# Altium PCB Archimajor.PcbDoc (part 11 of 12)
Units mm, origin at the board's own origin, x right, y up, seen from the top; angles counter-clockwise.
Board outline 190 x 140 mm, 6 copper layers (Top Layer, Top GND, Power Plane, Mid1, Bot GND, Bottom Layer), stack 1.776 mm thick; 1046 components, 682 nets, 3245 pads, 2865 vias.
Unrouted connection lines stored in the file: 97.
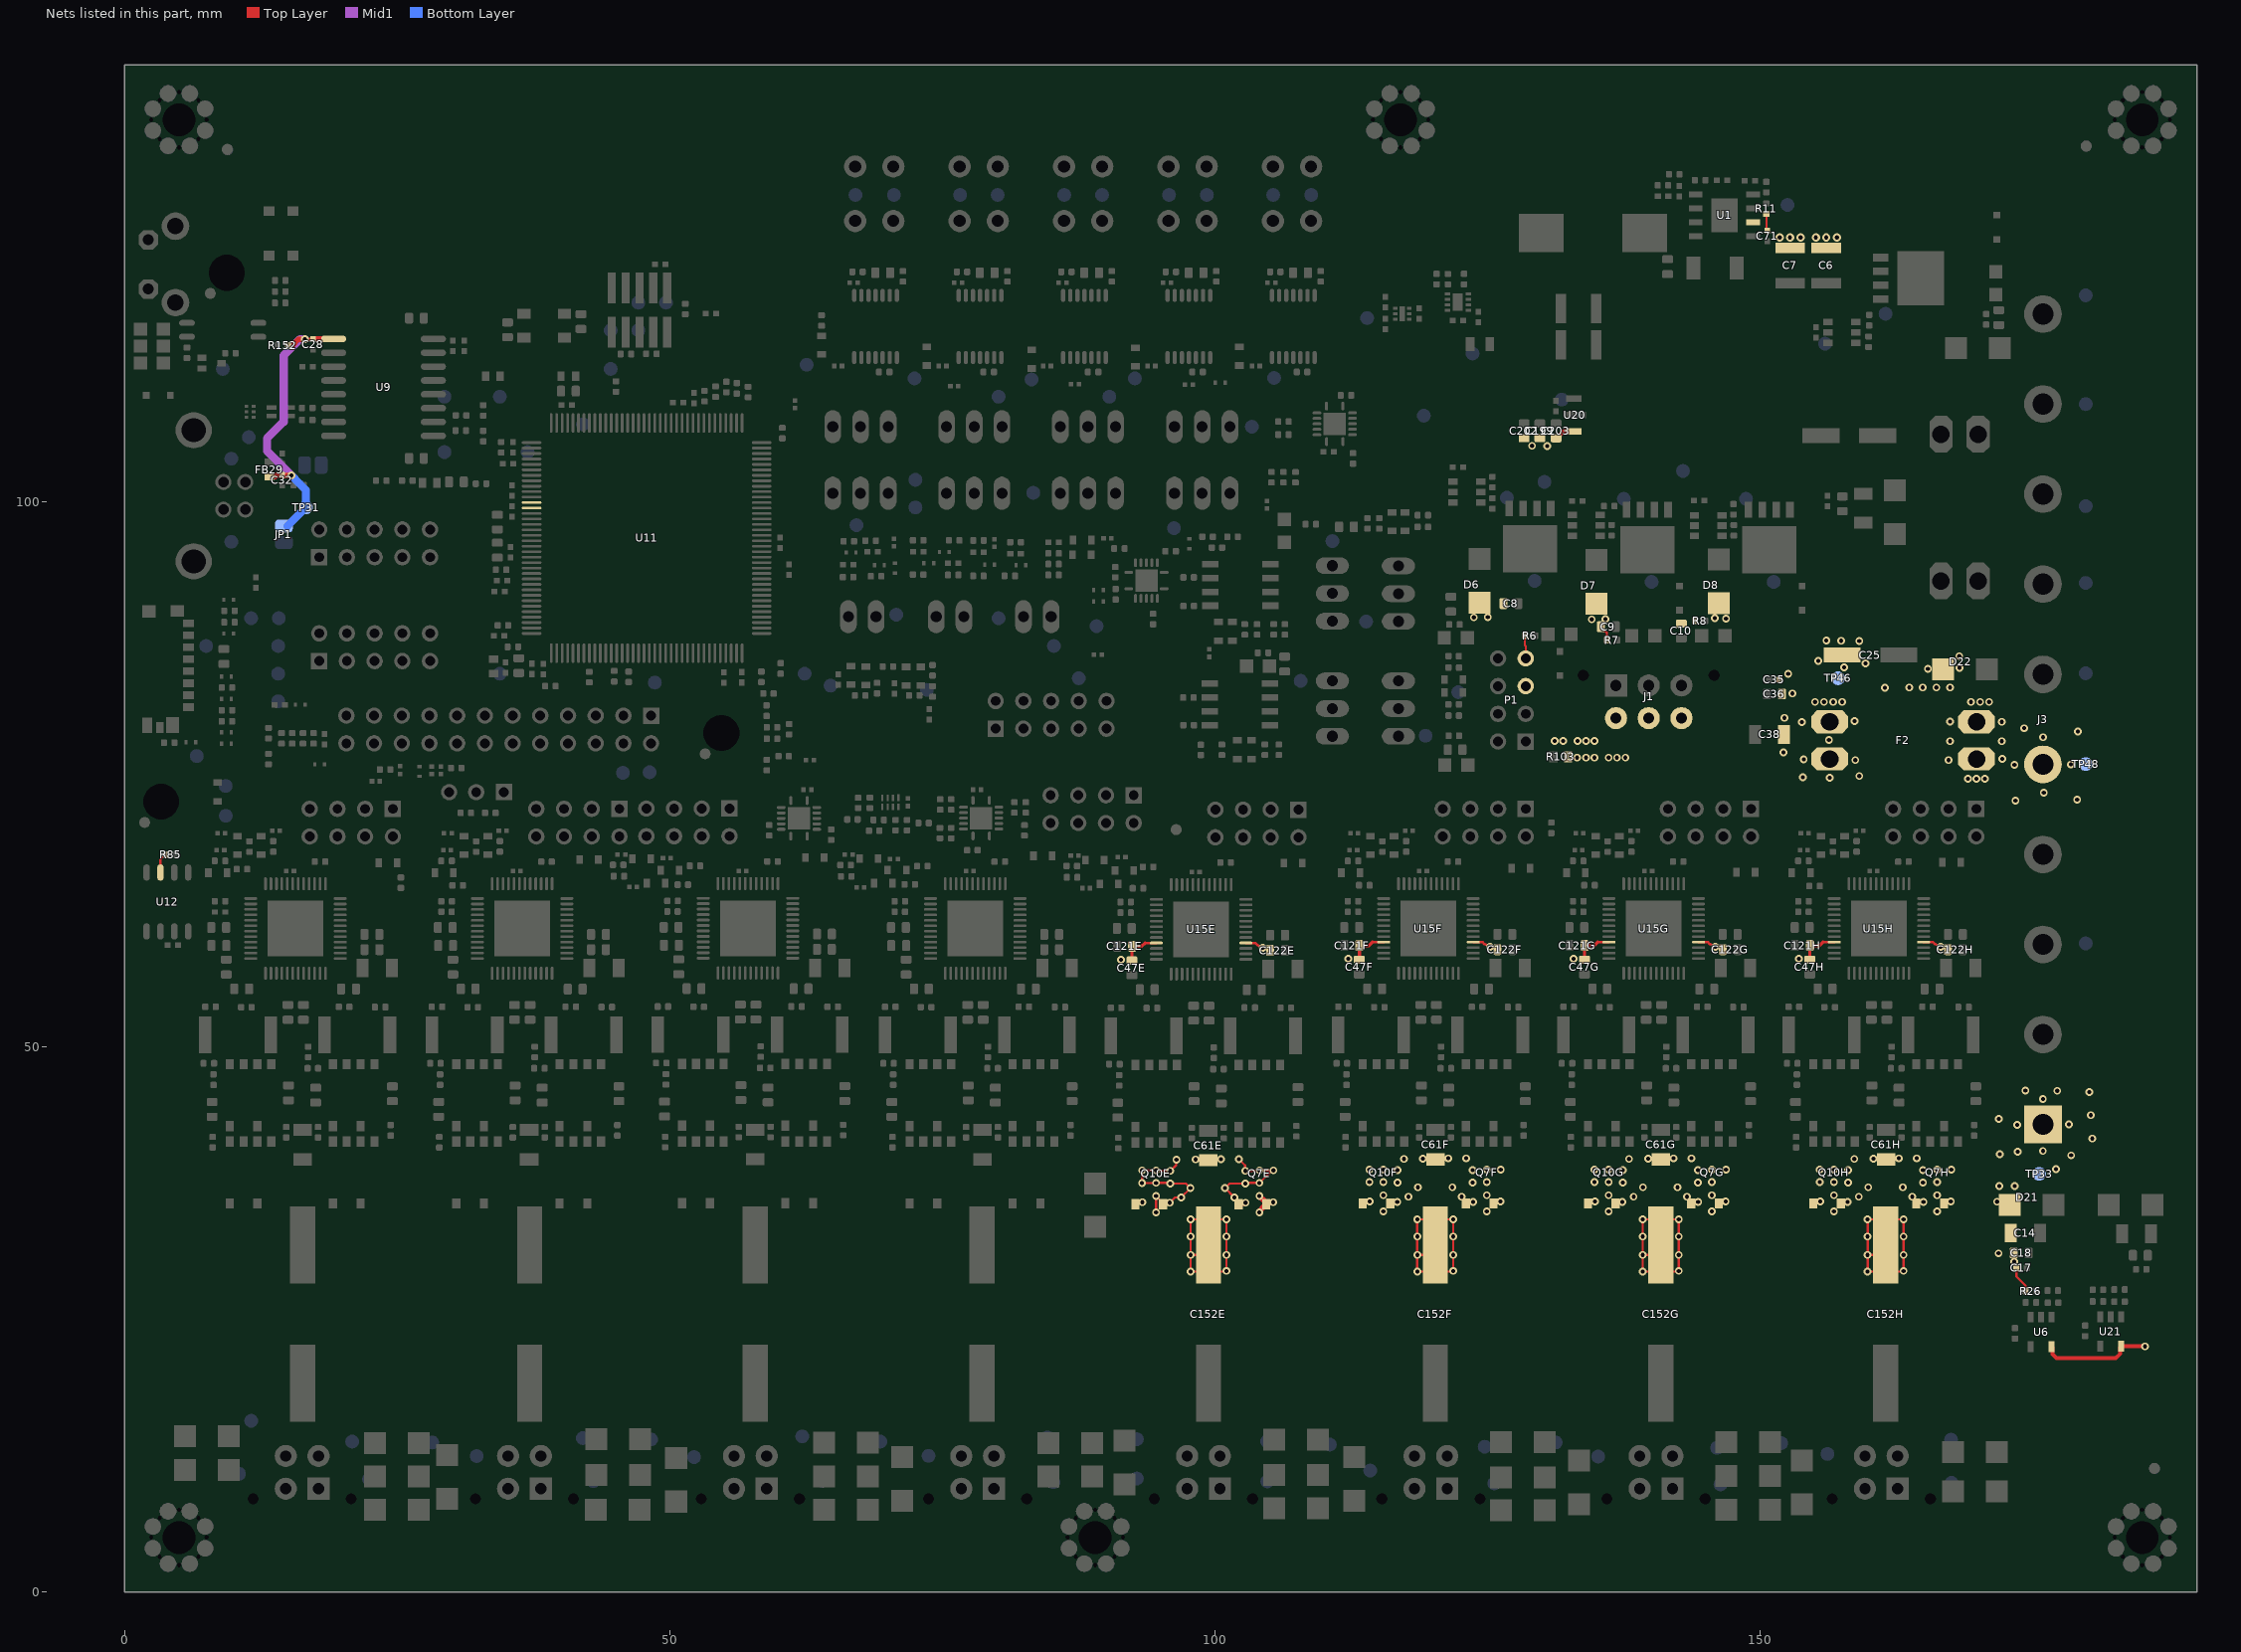
[diagram p15: the nets of this part, all layers, seen from the top]

## Via types
v1: diameter 0.711, hole 0.381, Top Layer to Bottom Layer, tented both sides, 2418 vias
v2: diameter 0.559, hole 0.254, Top Layer to Bottom Layer, 302 vias
v3: diameter 0.711, hole 0.381, Top Layer to Bottom Layer, 113 vias
v4: diameter 0.737, hole 0.381, Top Layer to Bottom Layer, tented both sides, 16 vias
v5: diameter 0.762, hole 0.381, Top Layer to Bottom Layer, 16 vias

## Nets (pads, with @x,y where several pads share a name; then routed paths per layer and width w, separated by ;. In a path a pad name is that pad's centre, name@x,y a point inside that pad or via, vN(x,y) a via of type N, cw(c..) or ccw(c..) an arc to the next point about the centre after c; other vN are vias at no path point) (continued)
VMOT2: C14.2 C17.1 C18.1 C47E.2 C47F.2 C47G.2 C47H.2 C61E.2 C61F.2 C61G.2 C61H.2 C121E.2 C121F.2 C121G.2 C121H.2 C122E.2 C122F.2 C122G.2 C122H.2 C152E.1 C152F.1 C152G.1 C152H.1 D21.K J3.1 Q7E.5 Q7E.7 Q7F.5 Q7F.7 Q7G.5 Q7G.7 Q7H.5 Q7H.7 Q10E.5 Q10E.7 Q10F.5 Q10F.7 Q10G.5 Q10G.7 Q10H.5 Q10H.7 R26.1 TP33.1 U15E.4 U15E.33 U15F.4 U15F.33 U15G.4 U15G.33 U15H.4 U15H.33 | length 133.1
  Top Layer w0.203: Q10E.5@92.685,35.55 92.87,35.734 v1(93.334,35.734) ; v1(94.584,34.809) v1@94.584,36.291 ; v1(94.584,36.309) v1@94.584,36.291 ; v1(96.459,39.637) 96.422,39.601 96.422,39.146 v1(95.884,38.608) 94.635,38.608 v1(94.584,38.659) 93.301,38.659 v1(93.297,38.655) v1(93.297,37.505) 94.579,37.505 v1(94.584,37.509) 95.832,37.509 v1(95.884,37.458) 97.31,37.458 v1(97.734,37.034) 97.734,37.025 v1(96.872,36.162) 96.322,36.162 v1(95.847,35.687) 95.363,35.687 Q10E.7@95.225,35.55 95.225,35.65 v1@94.584,36.291 ; v1(98.208,39.659) 99.289,39.659 C61E.2@99.365,39.583 99.466,39.684 v1(100.533,39.684) ; C152E.1@99.391,31.822 98.481,30.913 v1(97.741,30.913) ; Q7E.5@102.146,35.55 102.146,35.65 101.77,36.026 v1(101.77,36.162) 101.77,36.172 v1(100.908,37.034) 101.331,37.458 v1(102.758,37.458) 102.809,37.509 v1(104.058,37.509) 105.01,38.462 105.015,38.462 105.208,38.655 v1(105.345,38.655) 105.34,38.659 v1(104.058,38.659) 104.006,38.608 v1(102.758,38.608) 102.745,38.621 102.745,39.122 v1(102.183,39.684) ; C152F.1@120.18,31.822 119.27,30.913 v1(118.53,30.913) ; C152G.1@140.859,31.822 139.95,30.913 v1(139.21,30.913) ; C152H.1@161.472,31.822 160.562,30.913 v1(159.822,30.913) ; C17.1@173.468,29.72 173.468,28.927 174.305,28.09 174.305,27.61 R26.1@174.315,27.6 ; v1(97.741,30.913) v1(97.741,32.588) 97.741,34.163 99.44,34.163 v1(101.041,34.163) v1(101.04,32.588) v1(101.04,30.913) ; v1(97.741,30.913) v1(97.741,29.387) 97.949,29.387 99.49,29.387 v1@101.041,29.387 ; v1@101.041,29.387 v1(101.04,30.913) ; v1@101.041,29.387 v1(101.04,30.913) ; v1(118.53,30.913) v1(118.53,32.588) v1(118.529,34.163) 120.229,34.163 v1(121.83,34.163) 121.83,32.588 v1@121.83,30.913 ; v1(118.53,30.913) v1(118.53,29.387) 120.279,29.387 v1@121.83,29.387 ; v1@121.83,29.387 v1@121.83,30.913 ; v1@121.83,29.387 v1@121.83,30.913 ; v1(139.21,30.913) v1(139.21,32.588) v1(139.209,34.163) 140.909,34.163 v1(142.51,34.163) v1(142.509,32.588) v1(142.509,30.913) 142.51,29.387 140.959,29.387 v1(139.21,29.387) v1(139.21,30.913) ; v1(159.822,30.913) v1(159.822,29.387) 161.571,29.387 162.958,29.387 163.122,29.387 v1(163.121,30.913) v1(163.121,32.588) v1(163.122,34.163) 161.521,34.163 v1(159.821,34.163) v1(159.822,32.588) v1(159.822,30.913)
  Top Layer w0.229: 93.58,59.51 U15E.33@94.615,59.51 ; U15E.4@102.815,59.51 103.685,59.51 103.87,59.325 v1(104.37,59.075) ; 114.422,59.585 U15F.33@115.457,59.585 ; U15F.4@123.657,59.585 124.527,59.585 124.712,59.4 v1(125.212,59.15) ; 135.073,59.585 U15G.33@136.108,59.585 ; U15G.4@144.308,59.585 145.178,59.585 145.363,59.4 v1(145.863,59.15) ; 155.723,59.585 U15H.33@156.758,59.585 ; U15H.4@164.958,59.585 165.828,59.585 166.013,59.4 v1(166.513,59.15)
  Top Layer w0.305: C47E.2@92.37,57.905 92.375,57.91 C121E.2@92.375,59.2 93.27,59.2 93.58,59.51 ; C47F.2@113.212,57.98 113.217,57.985 C121F.2@113.217,59.275 114.112,59.275 114.422,59.585 ; C47G.2@133.863,57.98 133.868,57.985 C121G.2@133.868,59.275 134.763,59.275 135.073,59.585 ; C47H.2@154.513,57.98 154.518,57.985 C121H.2@154.518,59.275 155.413,59.275 155.723,59.585
  Top Layer w0.508: Q7E.5@102.146,35.55 Q7E.5@102.152,35.555 ; Q7E.5@102.152,35.529 Q7E.5@102.152,35.555 ; v1(102.795,35.687) 102.756,35.649 102.245,35.649 Q7E.5@102.152,35.555 ; v1(104.058,34.809) 104.097,34.848 104.097,34.96 104.465,35.329 104.565,35.329 104.686,35.45 Q7E.7@104.686,35.55 ; v1(104.058,36.309) 104.565,35.802 104.565,35.671 Q7E.7@104.686,35.55 ; v1(105.308,35.734) 105.269,35.696 104.807,35.696 104.686,35.575 Q7E.7@104.686,35.55 ; Q10F.5@113.527,35.625 Q10F.5@113.611,35.709 ; Q7F.5@122.989,35.625 122.994,35.631 Q7F.5@122.994,35.604 ; Q10G.5@134.178,35.625 Q10G.5@134.261,35.709 ; Q7G.5@143.639,35.625 143.644,35.631 Q7G.5@143.644,35.604 ; Q10H.5@154.828,35.625 Q10H.5@154.912,35.709 ; Q7H.5@164.289,35.625 164.295,35.631 Q7H.5@164.295,35.604
  other v1: 101.04,29.438 121.829,29.438 142.509,29.438 163.121,29.438 173.27,30.289 121.829,30.913 171.823,31.051 121.829,32.588 97.74,34.163 115.426,34.885 124.9,34.885 136.076,34.885 145.55,34.885 156.726,34.885 166.2,34.885 116.689,35.763 123.637,35.763 137.339,35.763 144.287,35.763 157.989,35.763 164.938,35.763 171.685,35.782 114.176,35.81 126.15,35.81 134.826,35.81 146.8,35.81 155.476,35.81 167.45,35.81 117.714,36.238 122.612,36.238 138.364,36.238 143.262,36.238 159.014,36.238 163.913,36.238 115.426,36.385 124.9,36.385 136.076,36.385 145.55,36.385 156.726,36.385 166.2,36.385 118.576,37.11 121.75,37.11 139.226,37.11 142.4,37.11 159.876,37.11 163.05,37.11 171.883,37.228 173.309,37.228 116.726,37.533 123.6,37.533 137.376,37.533 144.25,37.533 158.026,37.533 164.9,37.533 114.139,37.58 134.789,37.58 155.439,37.58 115.426,37.585 124.9,37.585 136.076,37.585 145.55,37.585 156.726,37.585 166.2,37.585 116.726,38.683 123.6,38.683 137.376,38.683 144.25,38.683 158.026,38.683 164.9,38.683 114.139,38.73 115.426,38.735 124.9,38.735 126.187,38.73 134.789,38.73 136.076,38.735 145.55,38.735 146.837,38.73 155.439,38.73 156.726,38.735 166.2,38.735 167.488,38.73 177.08,38.766 117.301,39.713 137.951,39.713 158.601,39.713 119.05,39.735 139.7,39.735 160.35,39.735 121.375,39.76 123.025,39.76 142.025,39.76 143.675,39.76 162.675,39.76 164.325,39.76 178.486,40.034 171.929,40.153 173.593,40.37 175.891,40.43 180.408,41.579 173.533,42.827 178.288,42.867 171.849,43.382 180.269,43.719 175.891,45.205 180.151,45.839 177.199,45.957 174.286,45.977 91.364,57.977 112.206,58.052 132.856,58.052 153.507,58.052
VPWR: C6.2 C7.2 C8.1 C9.1 C10.1 C25.1 C35.1 C36.1 C38.2 C71.2 C199.1 C202.1 C203.1 D6.C D7.C D8.C D22.K F2.2 J1.2 J1.4 J1.6 P1.5 P1.7 R6.2 R7.2 R8.2 R11.2 R103.1 TP46.1 U1.2 U6.5 U20.3 U21.5 | length 17.3
  Top Layer w0.203: R6.2@128.385,87.684 128.385,86.817 128.475,86.727 P1.7@128.475,85.6 ; C9.1@135.363,88.509 135.363,88.404 135.628,88.14 135.733,88.14 135.91,87.962 R7.2@135.91,87.284 ; R11.2@150.529,126.358 150.555,126.332 C71.2@150.555,124.831
  Top Layer w0.356: U6.5@176.676,22.505 176.773,22.408 176.773,21.818 177.153,21.438 182.561,21.438 182.958,21.835 182.958,22.424 U21.5@183.055,22.521 v1(185.256,22.521)
  Top Layer w0.406: C203.1@131.242,105.693 131.956,106.406 U20.3@132.892,106.406 ; C25.1@157.438,85.961 C25.1@157.481,85.918
  other v1: 156.336,74.665 153.88,74.705 159.051,74.824 158.694,76.27 153.959,76.349 133.193,76.509 133.993,76.509 134.768,76.509 136.068,76.509 136.843,76.509 137.618,76.509 152.117,76.983 131.118,78.034 131.893,78.034 133.218,78.034 133.993,78.034 134.768,78.034 156.277,78.112 153.801,79.777 158.615,79.856 152.196,80.153 154.996,81.612 155.821,81.612 156.671,81.612 157.496,81.612 152.929,82.392 161.408,82.907 163.627,82.927 164.875,82.927 166.124,82.927 167.372,82.927 152.533,84.195 165.351,84.63 168.243,84.73 157.664,84.789 159.625,85.146 155.286,85.363 168.224,85.799 159.051,87.206 157.406,87.226 156.039,87.246 134.518,89.184 135.793,89.209 146.843,89.259 145.818,89.284 123.718,89.359 124.993,89.384 130.457,105.067
  other v3: 129.06,105.092
  other v5: 151.754,124.198 152.704,124.198 153.679,124.198 155.079,124.198 156.029,124.198 157.004,124.198
VPWR_IN: F2.1 J3.5 TP48.1 | length 6.4
  Mid1 w0.254: J3.5@176.911,75.883 ccw(c175.895,75.883) J3.5@176.911,75.883
  other v1: 173.375,72.565 179.021,72.664 175.97,73.298 169.016,74.562 169.804,74.562 170.561,74.566 173.276,75.834 178.447,75.874 167.253,76.27 172.158,76.387 167.372,78.013 172.133,78.012 175.911,78.37 179.1,78.905 174.167,79.202 172.133,79.787 167.392,79.816 169.283,81.612 170.133,81.612 170.958,81.612
VUSB: C28.1 C32.1 FB29.1 JP1.2 R152.1 TP31.1 U9.1 | length 27.5
  Top Layer w0.254: v1(16.535,114.872) 16.543,114.865 C28.1@17.272,114.865
  Top Layer w0.508: FB29.1@13.296,102.254 13.812,102.254 13.812,102.309 13.918,102.415 C32.1@14.469,102.415 14.508,102.376 v3(15.309,102.376) ; R152.1@15.012,114.304 15.377,114.304 15.937,114.865 v1@16.543,114.865 ; C28.1@17.323,114.898 U9.1@19.174,114.898
  Mid1 w0.762: v3(15.309,102.376) 13.075,104.61 13.075,105.781 14.589,107.296 14.589,113.366 16.095,114.872 v1(16.535,114.872)
  Bottom Layer w0.711: JP1.2@14.932,97.736 TP31.1@16.637,99.441 16.637,101.031 16.089,101.579 16.089,101.596 v3(15.309,102.376)
WP#: R85.1 U12.3 | length 1.9
  Top Layer w0.203: U12.3@3.302,65.971 3.302,67.146 R85.1@3.777,67.62 R85.1@3.777,67.582
XIN32: U11.48
XOUT32: U11.49
pads on no net: D6. D7. D8. D15. D21. D22. D43. D46A. D46B. D46C. D46D. D46E. D46F. D46G. D46H. D47A. D47B. D47C. D47D. D47E. D47F. D47G. D47H. D48A. D48B. D48C. D48D. D48E. D48F. D48G. D48H. D49A. D49B. D49C. D49D. D49E. D49F. D49G. D49H. D78. FD1.F FD2.F FD3.F FD4.F FD5.F FD6.F FD7.F H1.0 H2.0 H3. H4. H5. H6.0 H7.0 H8.0 H9.0 J1. J2A. J2B. J2C. J2D. J2E. J2F. J2G. J2H. J5. J6. J7. J9. J10. J11. J14. J15. J16. J22. J29. J30. J31. J32. J33. U3.5 U4.5 U5.5 U7.5 U19. X1.

## Polygon pours and split planes (outlines as drawn)
VMOT2 on Top Layer "Direct Connect" (solid, remove dead copper, pour order 2708): 153.227,40.831 152.922,40.526 152.922,35.013 155.64,32.295 159.683,28.252 163.204,28.252 169.686,34.734 169.686,40.552 169.356,40.882
VMOT2 on Top Layer "Direct Connect" (solid, remove dead copper, pour order 2706): 132.577,40.831 132.272,40.526 132.272,35.013 134.99,32.295 139.033,28.252 142.554,28.252 149.036,34.734 149.036,40.552 148.706,40.882
VMOT2 on Top Layer "Direct Connect" (solid, remove dead copper, pour order 2704): 111.927,40.831 111.622,40.526 111.622,35.013 114.34,32.295 118.383,28.252 121.904,28.252 128.386,34.734 128.386,40.552 128.056,40.882
VMOT2 on Top Layer "Direct Connect" (solid, remove dead copper, pour order 2702): 91.085,40.756 90.78,40.451 90.78,34.937 93.498,32.22 97.541,28.176 101.062,28.176 107.544,34.658 107.544,40.476 107.214,40.806
VMOT1 on Top Layer "Direct Connect" (solid, remove dead copper, pour order 2700): 70.377,40.878 70.072,40.573 70.072,35.06 72.79,32.342 76.833,28.299 80.354,28.299 86.836,34.781 86.836,40.599 86.506,40.929
VMOT1 on Top Layer "Direct Connect" (solid, remove dead copper, pour order 2696): 49.535,40.856 49.23,40.551 49.23,35.037 51.948,32.32 55.991,28.276 59.512,28.276 65.994,34.758 65.994,40.576 65.664,40.906
VMOT1 on Top Layer "Direct Connect" (solid, remove dead copper, pour order 2694): 28.827,40.878 28.522,40.573 28.522,35.06 31.24,32.342 35.283,28.299 38.804,28.299 45.286,34.781 45.286,40.599 44.956,40.929
GND on Top Layer "24milConnect" (solid, remove dead copper, pour order 2692): 2.748,23.59 2.748,9.318 2.992,9.074 7.132,9.074 13.036,3.17 80.714,3.17 86.559,9.014 91.016,9.014 96.861,3.17 171.592,3.17 175.455,7.033 175.455,17.989 168.917,24.527 3.685,24.527
HTR2 on Top Layer "DirectConnect" (solid, pour order 2601): 143.437,98.209 133.582,98.209 133.582,91.884 136.568,91.884 136.568,87.884 143.437,87.884 143.437,98.234
VPWR on Top Layer "DirectConnect" (solid, remove dead copper, pour order 2600): 142.468,88.234 143.743,88.234 144.543,89.034 146.793,89.034 147.168,89.409 147.168,90.959 146.468,91.659 144.518,91.659 144.218,91.359 144.218,90.434 143.393,89.609 143.218,89.609 142.468,88.859
GND on Top Layer "Direct Connect" (solid, remove dead copper, pour order 2487): 17 vertices, not listed, extent 64.94,112.784 71.348,120.479
GND on Top Layer "Direct Connect" (solid, remove dead copper, pour order 2486): 17 vertices, not listed, extent 103.379,112.712 109.787,120.406
GND on Top Layer "Direct Connect" (solid, remove dead copper, pour order 2485): 17 vertices, not listed, extent 93.691,112.697 100.099,120.391
GND on Top Layer "Direct Connect" (solid, remove dead copper, pour order 2484): 17 vertices, not listed, extent 84.142,112.736 90.55,120.43
GND on Top Layer "Direct Connect" (solid, remove dead copper, pour order 2483): 17 vertices, not listed, extent 74.516,112.81 80.924,120.504
VMOT1 on Top Layer "Direct Connect" (solid, remove dead copper, pour order 2481): 8.052,40.831 7.747,40.526 7.747,35.013 10.465,32.295 14.508,28.252 18.029,28.252 24.511,34.734 24.511,40.552 24.181,40.882
OBAA on Top Layer "Direct Connect" (solid, remove dead copper, pour order 2473): 17 vertices, not listed, extent 21.133,40.476 25.044,47.715
OBAH on Top Layer "Direct Connect" (solid, remove dead copper, pour order 2472): 17 vertices, not listed, extent 166.308,40.476 170.22,47.715
OBAG on Top Layer "Direct Connect" (solid, remove dead copper, pour order 2471): 17 vertices, not listed, extent 145.658,40.476 149.57,47.715
OBAF on Top Layer "Direct Connect" (solid, remove dead copper, pour order 2470): 17 vertices, not listed, extent 125.008,40.476 128.919,47.715
OBAC on Top Layer "Direct Connect" (solid, remove dead copper, pour order 2469): 17 vertices, not listed, extent 62.616,40.5 66.527,47.739
OBAE on Top Layer "Direct Connect" (solid, remove dead copper, pour order 2468): 17 vertices, not listed, extent 104.166,40.4 108.077,47.639
OBAD on Top Layer "Direct Connect" (solid, remove dead copper, pour order 2467): 17 vertices, not listed, extent 83.458,40.476 87.369,47.715
OBAB on Top Layer "Direct Connect" (solid, remove dead copper, pour order 2466): 17 vertices, not listed, extent 41.908,40.476 45.819,47.715
OBBA on Top Layer "Direct Connect" (solid, remove dead copper, pour order 2465): 20.917,47.254 20.917,40.577 19.863,40.577 17.869,42.571 17.869,43.27 17.844,43.295 16.934,44.205 16.934,45.662 17.082,45.81 17.895,45.81 18.123,46.038 18.123,47.257
OBBH on Top Layer "Direct Connect" (solid, remove dead copper, pour order 2464): 166.093,47.254 166.093,40.577 165.038,40.577 163.045,42.571 163.045,43.27 163.019,43.295 162.109,44.205 162.109,45.662 162.257,45.81 163.07,45.81 163.299,46.038 163.299,47.257
OBBG on Top Layer "Direct Connect" (solid, remove dead copper, pour order 2463): 145.443,47.254 145.443,40.577 144.388,40.577 142.395,42.571 142.395,43.27 142.369,43.295 141.459,44.205 141.459,45.662 141.607,45.81 142.42,45.81 142.649,46.038 142.649,47.257
OBBF on Top Layer "Direct Connect" (solid, remove dead copper, pour order 2462): 124.792,47.254 124.792,40.577 123.738,40.577 121.744,42.571 121.744,43.27 121.719,43.295 120.809,44.205 120.809,45.662 120.957,45.81 121.77,45.81 121.998,46.038 121.998,47.257
OBBC on Top Layer "Direct Connect" (solid, remove dead copper, pour order 2461): 62.4,47.278 62.4,40.602 61.346,40.602 59.352,42.595 59.352,43.294 59.327,43.319 58.417,44.229 58.417,45.686 58.565,45.834 59.378,45.834 59.606,46.063 59.606,47.282
OBBE on Top Layer "Direct Connect" (solid, remove dead copper, pour order 2460): 103.95,47.178 103.95,40.502 102.896,40.502 100.902,42.495 100.902,43.194 100.877,43.219 99.967,44.129 99.967,45.586 100.115,45.734 100.928,45.734 101.156,45.963 101.156,47.182
OBBD on Top Layer "Direct Connect" (solid, remove dead copper, pour order 2459): 83.242,47.254 83.242,40.577 82.188,40.577 80.194,42.571 80.194,43.27 80.169,43.295 79.259,44.205 79.259,45.662 79.407,45.81 80.22,45.81 80.448,46.038 80.448,47.257
OBBB on Top Layer "Direct Connect" (solid, remove dead copper, pour order 2458): 41.692,47.254 41.692,40.577 40.638,40.577 38.644,42.571 38.644,43.27 38.619,43.295 37.709,44.205 37.709,45.662 37.857,45.81 38.67,45.81 38.898,46.038 38.898,47.257
OAAA on Top Layer "Direct Connect" (solid, remove dead copper, pour order 2457): 11.659,47.687 11.659,41.923 13.005,40.577 14.199,40.577 14.707,41.085 14.707,43.27 14.732,43.295 15.286,43.295 15.642,43.651 15.642,45.662 15.494,45.81 14.681,45.81 14.453,46.038 14.453,47.691
OAAH on Top Layer "Direct Connect" (solid, remove dead copper, pour order 2456): 156.834,47.687 156.834,41.923 158.18,40.577 159.374,40.577 159.882,41.085 159.882,43.27 159.907,43.295 160.462,43.295 160.817,43.651 160.817,45.662 160.669,45.81 159.857,45.81 159.628,46.038 159.628,47.691
OAAG on Top Layer "Direct Connect" (solid, remove dead copper, pour order 2455): 136.184,47.687 136.184,41.923 137.53,40.577 138.724,40.577 139.232,41.085 139.232,43.27 139.257,43.295 139.812,43.295 140.167,43.651 140.167,45.662 140.019,45.81 139.206,45.81 138.978,46.038 138.978,47.691
OAAF on Top Layer "Direct Connect" (solid, remove dead copper, pour order 2454): 115.534,47.687 115.534,41.923 116.88,40.577 118.074,40.577 118.582,41.085 118.582,43.27 118.607,43.295 119.161,43.295 119.517,43.651 119.517,45.662 119.369,45.81 118.556,45.81 118.328,46.038 118.328,47.691
OAAC on Top Layer "Direct Connect" (solid, remove dead copper, pour order 2453): 53.141,47.712 53.141,41.948 54.488,40.602 55.681,40.602 56.189,41.11 56.189,43.294 56.215,43.319 56.769,43.319 57.125,43.675 57.125,45.686 56.977,45.834 56.164,45.834 55.935,46.063 55.935,47.716
OAAE on Top Layer "Direct Connect" (solid, remove dead copper, pour order 2452): 94.691,47.612 94.691,41.848 96.038,40.502 97.231,40.502 97.739,41.01 97.739,43.194 97.765,43.219 98.319,43.219 98.675,43.575 98.675,45.586 98.527,45.734 97.714,45.734 97.485,45.963 97.485,47.616
OAAD on Top Layer "Direct Connect" (solid, remove dead copper, pour order 2451): 73.984,47.687 73.984,41.923 75.33,40.577 76.524,40.577 77.032,41.085 77.032,43.27 77.057,43.295 77.611,43.295 77.967,43.651 77.967,45.662 77.819,45.81 77.006,45.81 76.778,46.038 76.778,47.691
OAAB on Top Layer "Direct Connect" (solid, remove dead copper, pour order 2450): 32.434,47.687 32.434,41.923 33.78,40.577 34.974,40.577 35.482,41.085 35.482,43.27 35.507,43.295 36.061,43.295 36.417,43.651 36.417,45.662 36.269,45.81 35.456,45.81 35.228,46.038 35.228,47.691
OABA on Top Layer "Direct Connect" (solid, remove dead copper, pour order 2449): 11.481,47.257 8.611,47.257 8.534,47.181 8.534,44.59 8.331,44.387 7.592,44.387 7.315,44.11 7.315,43.143 7.544,42.914 8.252,42.914 8.458,42.708 8.458,42.431 10.414,40.476 11.43,40.476 11.481,40.526
OABH on Top Layer "Direct Connect" (solid, remove dead copper, pour order 2448): 156.656,47.257 153.786,47.257 153.71,47.181 153.71,44.59 153.507,44.387 152.767,44.387 152.491,44.11 152.491,43.143 152.719,42.914 153.428,42.914 153.634,42.708 153.634,42.431 155.589,40.476 156.605,40.476 156.656,40.526
OABG on Top Layer "Direct Connect" (solid, remove dead copper, pour order 2447): 136.006,47.257 133.136,47.257 133.06,47.181 133.06,44.59 132.856,44.387 132.117,44.387 131.84,44.11 131.84,43.143 132.069,42.914 132.778,42.914 132.983,42.708 132.983,42.431 134.939,40.476 135.955,40.476 136.006,40.526
OABF on Top Layer "Direct Connect" (solid, remove dead copper, pour order 2446): 115.356,47.257 112.486,47.257 112.409,47.181 112.409,44.59 112.206,44.387 111.467,44.387 111.19,44.11 111.19,43.143 111.419,42.914 112.127,42.914 112.333,42.708 112.333,42.431 114.289,40.476 115.305,40.476 115.356,40.526
OABC on Top Layer "Direct Connect" (solid, remove dead copper, pour order 2445): 52.964,47.282 50.093,47.282 50.017,47.206 50.017,44.615 49.814,44.412 49.075,44.412 48.798,44.135 48.798,43.167 49.027,42.938 49.735,42.938 49.941,42.733 49.941,42.456 51.897,40.5 52.913,40.5 52.964,40.551
OABE on Top Layer "Direct Connect" (solid, remove dead copper, pour order 2444): 94.514,47.182 91.643,47.182 91.567,47.106 91.567,44.515 91.364,44.312 90.625,44.312 90.348,44.035 90.348,43.067 90.577,42.838 91.285,42.838 91.491,42.633 91.491,42.356 93.447,40.4 94.463,40.4 94.514,40.451
OABD on Top Layer "Direct Connect" (solid, remove dead copper, pour order 2443): 73.806,47.257 70.936,47.257 70.859,47.181 70.859,44.59 70.656,44.387 69.917,44.387 69.64,44.11 69.64,43.143 69.869,42.914 70.577,42.914 70.783,42.708 70.783,42.431 72.739,40.476 73.755,40.476 73.806,40.526
OABB on Top Layer "Direct Connect" (solid, remove dead copper, pour order 2442): 32.256,47.257 29.386,47.257 29.309,47.181 29.309,44.59 29.106,44.387 28.367,44.387 28.09,44.11 28.09,43.143 28.319,42.914 29.027,42.914 29.233,42.708 29.233,42.431 31.189,40.476 32.205,40.476 32.256,40.526
NetQ9A_1 on Top Layer "Direct Connect" (solid, remove dead copper, pour order 2420): 22.733,50.915 22.733,50.483 23.47,49.747 23.47,47.842 17.932,47.842 17.704,48.07 17.704,52.82 20.828,52.82
NetQ9H_1 on Top Layer "Direct Connect" (solid, remove dead copper, pour order 2419): 167.908,50.915 167.908,50.483 168.645,49.747 168.645,47.842 163.108,47.842 162.879,48.07 162.879,52.82 166.003,52.82
NetQ9G_1 on Top Layer "Direct Connect" (solid, remove dead copper, pour order 2418): 147.258,50.915 147.258,50.483 147.995,49.747 147.995,47.842 142.458,47.842 142.229,48.07 142.229,52.82 145.353,52.82
NetQ9F_1 on Top Layer "Direct Connect" (solid, remove dead copper, pour order 2417): 126.608,50.915 126.608,50.483 127.345,49.747 127.345,47.842 121.807,47.842 121.579,48.07 121.579,52.82 124.703,52.82
NetQ9E_1 on Top Layer "Direct Connect" (solid, remove dead copper, pour order 2416): 105.766,50.839 105.766,50.408 106.502,49.671 106.502,47.766 100.965,47.766 100.737,47.995 100.737,52.744 103.861,52.744
NetQ9C_1 on Top Layer "Direct Connect" (solid, remove dead copper, pour order 2415): 64.216,50.939 64.216,50.508 64.952,49.771 64.952,47.866 59.415,47.866 59.187,48.095 59.187,52.844 62.311,52.844
NetQ9D_1 on Top Layer "Direct Connect" (solid, remove dead copper, pour order 2414): 85.058,50.915 85.058,50.483 85.795,49.747 85.795,47.842 80.257,47.842 80.029,48.07 80.029,52.82 83.153,52.82
NetQ9B_1 on Top Layer "Direct Connect" (solid, remove dead copper, pour order 2413): 43.508,50.915 43.508,50.483 44.245,49.747 44.245,47.842 38.707,47.842 38.479,48.07 38.479,52.82 41.603,52.82
NetQ11A_1 on Top Layer "Direct Connect" (solid, remove dead copper, pour order 2412): 10.287,47.842 13.818,47.842 14.046,48.07 14.046,52.82 10.922,52.82 10.287,52.185
NetQ11H_1 on Top Layer "Direct Connect" (solid, remove dead copper, pour order 2411): 155.462,47.842 158.993,47.842 159.222,48.07 159.222,52.82 156.097,52.82 155.462,52.185
NetQ11G_1 on Top Layer "Direct Connect" (solid, remove dead copper, pour order 2410): 134.812,47.842 138.343,47.842 138.571,48.07 138.571,52.82 135.447,52.82 134.812,52.185
NetQ11F_1 on Top Layer "Direct Connect" (solid, remove dead copper, pour order 2409): 114.162,47.842 117.693,47.842 117.921,48.07 117.921,52.82 114.797,52.82 114.162,52.185
NetQ11C_1 on Top Layer "Direct Connect" (solid, remove dead copper, pour order 2408): 51.77,47.866 55.3,47.866 55.529,48.095 55.529,52.844 52.405,52.844 51.77,52.209
NetQ11E_1 on Top Layer "Direct Connect" (solid, remove dead copper, pour order 2407): 93.32,47.766 96.85,47.766 97.079,47.995 97.079,52.744 93.955,52.744 93.32,52.109
NetQ11D_1 on Top Layer "Direct Connect" (solid, remove dead copper, pour order 2406): 72.612,47.842 76.143,47.842 76.371,48.07 76.371,52.82 73.247,52.82 72.612,52.185
NetQ11B_1 on Top Layer "Direct Connect" (solid, remove dead copper, pour order 2405): 31.062,47.842 34.593,47.842 34.821,48.07 34.821,52.82 31.697,52.82 31.062,52.185
GND on Top Layer "Endstops and Therm Top" (solid, remove dead copper, pour order 2355): 94.332,108.857 103.066,108.857 103.716,108.207 103.716,96.339 102.983,95.606 97.891,95.606 95.91,97.587 94.332,97.587 94.332,90.648 94.332,85.705 90.088,81.461 66.61,81.461 63.87,84.201 63.87,108.914
GND on Top Layer "uC Top Under Part" (solid, pour order 2354): 38.741,87.491 57.024,87.497 57.024,105.778 38.741,105.781
GND on Top Layer "12MHz XTAL GND" (solid, pour order 2349): 33.573,118.806 33.573,113.439 36.021,113.439 43.342,113.439 43.342,115.864 43.342,118.784 33.573,118.784
HTBD-OUT on Top Layer "DirectConnect" (solid, pour order 2331): 162.585,112.598 171.193,112.598 171.193,115.373 173.468,115.373 173.468,125.704 162.585,125.704 162.585,124.637
HTR3 on Top Layer "DirectConnect" (solid, pour order 2330): 154.587,98.209 148.009,98.209 144.808,98.209 144.808,92.037 147.168,92.037 147.168,87.684 154.587,87.684
USB_GND on Top Layer "USB Shield" (solid, pour order 2328): 11.836,94.146 20.93,103.239 26.289,103.239 26.619,103.569 26.619,103.722 26.619,117.107 26.314,117.412 16.531,117.412 9.8,110.681 2.108,110.681 2.108,105.5 2.108,94.146
GND on Top Layer "FlashGND" (solid, remove dead copper, pour order 2327): 0.806,65.471 6.281,65.471 6.281,58.546 0.806,58.546
HTBD-OUT on Top Layer "Connect" (solid, remove dead copper, pour order 2610): 172.789,113.635 178.823,113.635 179.768,114.58 179.768,121.273 175.337,125.704 172.818,125.704
GND on Top Layer "DirectConnect" (solid, remove dead copper, pour order 2690): 61.695,116.389 61.695,135.019 20.961,135.019 20.961,123.62 54.404,123.62 54.404,120.53 58.544,116.389
GND on Top Layer "DirectConnect" (solid, remove dead copper, pour order 2670): 153.484,104.66 153.9,104.244 157.149,104.244 157.604,104.7 157.604,107.434 157.228,107.81 153.9,107.81 153.484,107.394
VMOT2 on Top Layer "DirectConnect" (solid, remove dead copper, pour order 2668): 171.334,43.62 174.128,46.413 180.289,46.413 180.784,45.918 180.784,41.381 177.258,37.854 175.138,37.854 173.692,36.408 172.028,36.408 171.334,37.101
VMOT1 on Top Layer "DirectConnect" (solid, remove dead copper, pour order 2666): 17 vertices, not listed, extent 171.671,29.177 187.461,64.244
GND on Top Layer "DirectConnect" (solid, remove dead copper, pour order 2664): 155.623,99.549 155.881,99.806 164.44,99.806 166.896,102.263 170.779,102.263 172.582,104.066 172.82,103.828 172.82,98.677 173.414,98.083 173.414,97.845 172.701,97.132 164.241,97.132 162.815,95.705 159.031,95.705 155.623,99.113
VBED on Top Layer "DirectConnect" (solid, remove dead copper, pour order 2660): 18 vertices, not listed, extent 155.584,100.123 180.289,112.724
VPWR on Top Layer "DirectConnect" (solid, remove dead copper, pour order 2658): 127.638,105.245 128.171,104.711 131.448,104.711 131.931,105.194 131.931,106.185 131.753,106.362 127.74,106.362 127.638,106.261
GND on Top Layer "DirectConnect" (solid, remove dead copper, pour order 2654): 172.463,98.096 172.86,97.7 179.457,97.7 180.091,98.334 180.091,103.782 179.398,104.476 172.84,104.476 172.463,104.099
GND on Top Layer "DirectConnect" (solid, remove dead copper, pour order 2650): 172.463,48.546 172.86,48.15 179.457,48.15 180.091,48.784 180.091,54.232 179.398,54.926 172.84,54.926 172.463,54.549
GND on Top Layer "DirectConnect" (solid, remove dead copper, pour order 2648): 172.463,65.056 172.86,64.66 179.457,64.66 180.091,65.294 180.091,70.742 179.398,71.436 172.84,71.436 172.463,71.059
VBED_IN on Top Layer "NetF1_1 Fuse Top Pour" (solid, remove dead copper, pour order 2642): 162.855,93.645 162.855,90.257 163.984,89.128 180.309,89.128 181.577,90.396 181.577,95.725 180.765,96.537 164.241,96.537 162.874,95.17
VPWR_IN on Top Layer "DirectConnect" (solid, remove dead copper, pour order 2634): 166.797,80.747 168.243,82.194 172.285,82.194 174.781,79.697 179.061,79.697 180.071,78.687 180.071,72.981 178.883,71.792 173.078,71.792 170.819,74.051 167.312,74.051 166.797,74.566
GND on Top Layer "DirectConnect" (solid, remove dead copper, pour order 2632): 160.299,82.451 172.761,82.451 175.019,80.193 178.843,80.193 181.3,82.649 181.3,87.919 180.705,88.514 172.84,88.514 160.299,88.514
VPWR on Top Layer "DirectConnect" (solid, remove dead copper, pour order 2630): 18 vertices, not listed, extent 151.621,74.289 168.58,87.82
GND on Top Layer "DirectConnect" (solid, remove dead copper, pour order 2628): 96.719,93.503 98.701,93.503 99.235,94.038 99.235,94.335 98.601,94.969 97.512,94.969 96.719,94.176
GND on Top Layer "DirectConnect" (solid, remove dead copper, pour order 2626): 96.719,90.963 98.701,90.963 99.235,91.498 99.235,91.795 98.601,92.429 97.512,92.429 96.719,91.636
GND on Top Layer "DirectConnect" (solid, remove dead copper, pour order 2624): 96.657,82.552 98.638,82.552 99.173,83.086 99.173,83.384 98.539,84.018 97.449,84.018 96.657,83.225
GND on Top Layer "DirectConnect" (solid, remove dead copper, pour order 2622): 96.657,81.488 98.638,81.488 99.173,80.954 99.173,80.656 98.539,80.022 97.449,80.022 96.657,80.815
GND on Top Layer "Direct Connect" (solid, remove dead copper, pour order 2364): 1.803,92.749 5.08,92.749 6.604,91.225 6.604,90.285 5.65,89.331 1.803,89.331
VMOT1 on Top Layer "DirectConnect" (solid, remove dead copper, pour order 2618): 183.136,37.466 184.721,35.881 184.721,29.462 184.543,29.284 183.314,29.284 180.184,32.414 180.184,37.466
VMOT2 on Top Layer "DirectConnect" (solid, remove dead copper, pour order 2620): 173.27,37.744 173.904,37.11 173.904,29.403 172.616,29.403 171.328,30.691 171.328,37.744
GND on Top Layer "DirectConnect" (solid, remove dead copper, pour order 2614): 187.911,37.565 187.911,30.334 186.801,29.224 185.216,29.224 184.939,29.502 184.939,36.218 186.286,37.565
GND on Top Layer "DirectConnect" (solid, remove dead copper, pour order 2616): 177.965,37.347 177.965,31.84 175.449,29.323 174.339,29.323 174.201,29.462 174.201,35.921 175.627,37.347
VPWR on Top Layer "Solid" (solid, pour order 2360): 151.354,122.822 151.354,124.573 150.129,124.573 150.129,125.323 148.704,125.323 148.704,125.873 157.379,125.873 157.379,122.822
GND on Top Layer "DirectConnect" (solid, remove dead copper, pour order 2612): 127.994,106.667 131.524,106.667 131.778,106.921 131.778,108.369 131.626,108.521 128.552,108.521 127.994,107.963
GND on Top Layer "Solid" (solid, pour order 2359): 134.509,120.173 145.054,120.173 145.054,127.798 148.329,127.798 148.329,122.923 157.379,122.923 157.379,119.653 154.69,117.278 136.679,117.278 136.679,112.998 134.48,112.998
GND on Top Layer "DirectConnect" (solid, pour order 2337): 161.823,125.017 159.512,125.017 159.512,119.125 161.823,119.125
VPWR on Top Layer "DirectConnect" (solid, remove dead copper, pour order 2608): 123.268,91.684 123.268,89.334 123.568,89.034 125.093,89.034 126.093,90.034 126.435,90.034 126.66,90.259 126.66,90.942 126.493,91.109 125.768,91.109 125.193,91.684
VFAN on Top Layer "24milConnect" (solid, remove dead copper, pour order 2607): 131.093,77.009 130.743,77.009 130.193,77.559 130.193,81.259 129.518,81.934 127.368,81.934 126.968,81.534 126.968,77.584 126.343,76.959 126.343,76.259 126.493,76.109 130.793,76.109 131.093,76.409
VPWR on Top Layer "Direct Connect" (solid, remove dead copper, pour order 2606): 137.718,75.409 138.093,75.784 138.093,77.834 137.493,78.434 130.943,78.434 130.668,78.159 130.668,77.534 130.843,77.359 131.543,77.359 131.743,77.159 131.743,75.609 131.943,75.409
VPWR on Top Layer "DirectConnect" (solid, remove dead copper, pour order 2599): 133.968,91.409 133.968,88.712 134.718,87.962 135.555,87.962 135.943,88.35 135.943,91.059 135.593,91.409
HTR1 on Top Layer "DirectConnect" (solid, pour order 2329): 131.854,98.311 122.837,98.311 122.837,92.088 125.843,92.088 125.843,88.309 133.074,88.309 133.074,95.847 131.854,95.847
NetC3_2 on Top Layer "DirectConnect" (solid, remove dead copper, pour order 2598): 125.352,113.932 126.249,113.034 131.593,113.034 131.593,115.409 131.268,115.734 130.768,115.734 130.443,115.409 125.839,115.409 125.352,114.922
NetC153_2 on Top Layer "Direct Connect" (solid, remove dead copper, pour order 2595): 100.656,92.211 100.656,89.786 109.219,89.786 109.481,90.047 109.481,90.572 107.842,92.211
NetC154_2 on Top Layer "Direct Connect" (solid, remove dead copper, pour order 2596): 100.681,94.873 108.692,94.873 109.393,94.172 109.393,93.759 108.082,92.448 100.681,92.448
GND on Top Layer "DirectConnect" (solid, pour order 2341): 153.8,98.489 149.609,98.489 149.609,100.724 153.825,100.724 153.825,98.489
GND on Top Layer "Direct Connect" (solid, remove dead copper, pour order 2594): 86.722,53.353 86.722,54.205 86.811,54.293 87.344,54.293 87.395,54.242 87.395,53.353 87.395,48.858 87.192,48.654 86.658,48.654 86.01,49.302 86.027,50.022 85.541,50.509 85.541,52.479
GND on Top Layer "Direct Connect" (solid, remove dead copper, pour order 2593): 65.88,53.378 65.88,54.229 65.968,54.318 66.502,54.318 66.553,54.267 66.553,53.378 66.553,48.882 66.349,48.679 65.816,48.679 65.168,49.326 65.185,50.046 64.698,50.533 64.698,52.503
GND on Top Layer "Direct Connect" (solid, remove dead copper, pour order 2592): 45.172,53.353 45.172,54.205 45.261,54.293 45.794,54.293 45.845,54.242 45.845,53.353 45.845,48.858 45.642,48.654 45.108,48.654 44.46,49.302 44.477,50.022 43.991,50.509 43.991,52.479
GND on Top Layer "Direct Connect" (solid, remove dead copper, pour order 2591): 45.172,53.353 45.172,54.205 45.261,54.293 45.794,54.293 45.845,54.242 45.845,53.353 45.845,48.858 45.642,48.654 45.108,48.654 44.46,49.302 44.477,50.022 43.991,50.509 43.991,52.479
GND on Top Layer "Direct Connect" (solid, remove dead copper, pour order 2588): 65.88,53.378 65.88,54.229 65.968,54.318 66.502,54.318 66.553,54.267 66.553,53.378 66.553,48.882 66.349,48.679 65.816,48.679 65.168,49.326 65.185,50.046 64.698,50.533 64.698,52.503
GND on Top Layer "Direct Connect" (solid, remove dead copper, pour order 2437): 56.926,43.37 56.926,41.364 57.155,41.134 58.424,41.134 58.729,41.44 58.729,43.37 57.942,44.158 57.713,44.158
GND on Top Layer "Direct Connect" (solid, remove dead copper, pour order 2434): 36.218,43.346 36.218,41.339 36.447,41.11 37.716,41.11 38.022,41.415 38.022,43.346 37.234,44.133 37.006,44.133
NetC211_2 on Top Layer "Direct Connect" (solid, remove dead copper, pour order 2590): 100.618,83.922 100.618,81.497 107.905,81.497 109.468,83.059 109.468,83.922
NetC209_2 on Top Layer "Direct Connect" (solid, remove dead copper, pour order 2589): 100.593,81.259 100.593,78.834 108.718,78.834 109.418,79.534 109.418,80.084 108.243,81.259
GND on Top Layer "Direct Connect" (solid, remove dead copper, pour order 2587): 86.722,53.353 86.722,54.205 86.811,54.293 87.344,54.293 87.395,54.242 87.395,53.353 87.395,48.858 87.192,48.654 86.658,48.654 86.01,49.302 86.027,50.022 85.541,50.509 85.541,52.479
GND on Top Layer "Direct Connect" (solid, remove dead copper, pour order 2404): 6.858,53.709 6.858,53.15 8.915,52.21 8.915,49.721 8.585,49.391 6.198,49.391 5.944,49.645 5.944,53.379 6.274,53.709
GND on Top Layer "Direct Connect" (solid, remove dead copper, pour order 2403): 152.033,53.709 152.033,53.15 154.091,52.21 154.091,49.721 153.761,49.391 151.373,49.391 151.119,49.645 151.119,53.379 151.449,53.709
GND on Top Layer "Direct Connect" (solid, remove dead copper, pour order 2402): 131.383,53.709 131.383,53.15 133.441,52.21 133.441,49.721 133.11,49.391 130.723,49.391 130.469,49.645 130.469,53.379 130.799,53.709
GND on Top Layer "Direct Connect" (solid, remove dead copper, pour order 2401): 110.733,53.709 110.733,53.15 112.79,52.21 112.79,49.721 112.46,49.391 110.073,49.391 109.819,49.645 109.819,53.379 110.149,53.709
GND on Top Layer "Direct Connect" (solid, remove dead copper, pour order 2400): 48.341,53.733 48.341,53.175 50.398,52.235 50.398,49.746 50.068,49.415 47.68,49.415 47.426,49.669 47.426,53.403 47.757,53.733
GND on Top Layer "Direct Connect" (solid, remove dead copper, pour order 2399): 69.183,53.709 69.183,53.15 71.24,52.21 71.24,49.721 70.91,49.391 68.523,49.391 68.269,49.645 68.269,53.379 68.599,53.709
GND on Top Layer "Direct Connect" (solid, remove dead copper, pour order 2398): 89.891,53.633 89.891,53.075 91.948,52.135 91.948,49.646 91.618,49.315 89.23,49.315 88.976,49.569 88.976,53.303 89.307,53.633
GND on Top Layer "Direct Connect" (solid, remove dead copper, pour order 2397): 27.633,53.709 27.633,53.15 29.69,52.21 29.69,49.721 29.36,49.391 26.973,49.391 26.719,49.645 26.719,53.379 27.049,53.709
GND on Top Layer "Direct Connect" (solid, remove dead copper, pour order 2396): 24.397,53.353 24.397,54.205 24.486,54.293 25.019,54.293 25.07,54.242 25.07,53.353 25.07,48.858 24.867,48.654 24.333,48.654 23.685,49.302 23.702,50.022 23.216,50.509 23.216,52.479
GND on Top Layer "Direct Connect" (solid, remove dead copper, pour order 2395): 169.572,53.353 169.572,54.205 169.661,54.293 170.194,54.293 170.245,54.242 170.245,53.353 170.245,48.858 170.042,48.654 169.509,48.654 168.861,49.302 168.878,50.022 168.391,50.509 168.391,52.479
GND on Top Layer "Direct Connect" (solid, remove dead copper, pour order 2394): 148.922,53.353 148.922,54.205 149.011,54.293 149.544,54.293 149.595,54.242 149.595,53.353 149.595,48.858 149.392,48.654 148.858,48.654 148.211,49.302 148.227,50.022 147.741,50.509 147.741,52.479
GND on Top Layer "Direct Connect" (solid, remove dead copper, pour order 2393): 128.272,53.353 128.272,54.205 128.361,54.293 128.894,54.293 128.945,54.242 128.945,53.353 128.945,48.858 128.742,48.654 128.208,48.654 127.56,49.302 127.577,50.022 127.091,50.509 127.091,52.479
GND on Top Layer "Direct Connect" (solid, remove dead copper, pour order 2392): 107.43,53.278 107.43,54.129 107.518,54.218 108.052,54.218 108.103,54.167 108.103,53.278 108.103,48.782 107.899,48.579 107.366,48.579 106.718,49.226 106.735,49.946 106.248,50.433 106.248,52.404
VMOT1 on Top Layer "Direct Connect" (solid, remove dead copper, pour order 2386): 49.712,57.721 51.033,57.721 51.287,57.975 51.287,58.712 52.03,59.455 52.03,59.677 50.652,59.677 50.271,59.296 50.271,58.991 49.712,58.432
GND on Top Layer "Direct Connect" (solid, remove dead copper, pour order 2429): 17 vertices, not listed, extent 56.037,44.64 59.517,46.901
GND on Top Layer "Direct Connect" (solid, remove dead copper, pour order 2421): 107.902,46.242 107.902,47.842 107.648,48.096 107.267,48.096 107.089,47.918 107.089,46.318 107.166,46.242
VMOT2 on Top Layer "Direct Connect" (solid, remove dead copper, pour order 2385): 91.262,57.621 92.583,57.621 92.837,57.875 92.837,58.612 93.58,59.355 93.58,59.577 92.202,59.577 91.821,59.196 91.821,58.891 91.262,58.332
GND on Top Layer "Direct Connect" (solid, remove dead copper, pour order 2428): 17 vertices, not listed, extent 97.587,44.54 101.067,46.801
GND on Top Layer "Direct Connect" (solid, remove dead copper, pour order 2436): 98.476,43.27 98.476,41.264 98.705,41.034 99.974,41.034 100.279,41.34 100.279,43.27 99.492,44.058 99.263,44.058
GND on Top Layer "Direct Connect" (solid, remove dead copper, pour order 2441): 15.443,43.346 15.443,41.339 15.672,41.11 16.941,41.11 17.247,41.415 17.247,43.346 16.459,44.133 16.231,44.133
GND on Top Layer "Direct Connect" (solid, remove dead copper, pour order 2433): 17 vertices, not listed, extent 14.554,44.616 18.034,46.876
GND on Top Layer "Direct Connect" (solid, remove dead copper, pour order 2425): 24.869,46.318 24.869,47.918 24.615,48.172 24.234,48.172 24.057,47.994 24.057,46.394 24.133,46.318
VMOT1 on Top Layer "Direct Connect" (solid, remove dead copper, pour order 2390): 8.23,57.697 9.55,57.697 9.804,57.951 9.804,58.687 10.547,59.43 10.547,59.653 9.169,59.653 8.788,59.272 8.788,58.967 8.23,58.408
VMOT2 on Top Layer "Direct Connect" (solid, remove dead copper, pour order 2389): 153.405,57.697 154.726,57.697 154.98,57.951 154.98,58.687 155.723,59.43 155.723,59.653 154.345,59.653 153.964,59.272 153.964,58.967 153.405,58.408
GND on Top Layer "Direct Connect" (solid, remove dead copper, pour order 2424): 170.045,46.318 170.045,47.918 169.791,48.172 169.41,48.172 169.232,47.994 169.232,46.394 169.308,46.318
GND on Top Layer "Direct Connect" (solid, remove dead copper, pour order 2432): 17 vertices, not listed, extent 159.73,44.616 163.209,46.876
GND on Top Layer "Direct Connect" (solid, remove dead copper, pour order 2440): 160.619,43.346 160.619,41.339 160.848,41.11 162.117,41.11 162.422,41.415 162.422,43.346 161.635,44.133 161.406,44.133
VMOT2 on Top Layer "Direct Connect" (solid, remove dead copper, pour order 2388): 132.755,57.697 134.076,57.697 134.33,57.951 134.33,58.687 135.073,59.43 135.073,59.653 133.695,59.653 133.314,59.272 133.314,58.967 132.755,58.408
GND on Top Layer "Direct Connect" (solid, remove dead copper, pour order 2423): 149.395,46.318 149.395,47.918 149.141,48.172 148.76,48.172 148.582,47.994 148.582,46.394 148.658,46.318
GND on Top Layer "Direct Connect" (solid, remove dead copper, pour order 2431): 17 vertices, not listed, extent 139.079,44.616 142.559,46.876
GND on Top Layer "Direct Connect" (solid, remove dead copper, pour order 2439): 139.968,43.346 139.968,41.339 140.198,41.11 141.466,41.11 141.772,41.415 141.772,43.346 140.984,44.133 140.756,44.133
VMOT2 on Top Layer "Direct Connect" (solid, remove dead copper, pour order 2387): 112.105,57.697 113.425,57.697 113.679,57.951 113.679,58.687 114.422,59.43 114.422,59.653 113.044,59.653 112.663,59.272 112.663,58.967 112.105,58.408
GND on Top Layer "Direct Connect" (solid, remove dead copper, pour order 2422): 128.744,46.318 128.744,47.918 128.49,48.172 128.109,48.172 127.932,47.994 127.932,46.394 128.008,46.318
GND on Top Layer "Direct Connect" (solid, remove dead copper, pour order 2430): 17 vertices, not listed, extent 118.429,44.616 121.909,46.876
GND on Top Layer "Direct Connect" (solid, remove dead copper, pour order 2438): 119.318,43.346 119.318,41.339 119.547,41.11 120.816,41.11 121.122,41.415 121.122,43.346 120.334,44.133 120.106,44.133
GND on Top Layer "Direct Connect" (solid, remove dead copper, pour order 2435): 77.768,43.346 77.768,41.339 77.997,41.11 79.266,41.11 79.572,41.415 79.572,43.346 78.784,44.133 78.556,44.133
GND on Top Layer "Direct Connect" (solid, remove dead copper, pour order 2427): 17 vertices, not listed, extent 76.879,44.616 80.359,46.876
VMOT1 on Top Layer "Direct Connect" (solid, remove dead copper, pour order 2384): 70.555,57.697 71.875,57.697 72.129,57.951 72.129,58.687 72.872,59.43 72.872,59.653 71.494,59.653 71.113,59.272 71.113,58.967 70.555,58.408
VMOT1 on Top Layer "Direct Connect" (solid, remove dead copper, pour order 2383): 29.005,57.697 30.325,57.697 30.579,57.951 30.579,58.687 31.322,59.43 31.322,59.653 29.944,59.653 29.563,59.272 29.563,58.967 29.005,58.408
GND on Top Layer "Direct Connect" (solid, remove dead copper, pour order 2426): 17 vertices, not listed, extent 35.329,44.616 38.809,46.876
no net on Top Layer "Direct Connect" (solid, remove dead copper, pour order 2382): 130.46,175.108
no net on Top Layer "Direct Connect" (solid, remove dead copper, pour order 2381): 151.111,175.108
no net on Top Layer "Direct Connect" (solid, remove dead copper, pour order 2380): 171.761,175.108
no net on Top Layer "Direct Connect" (solid, remove dead copper, pour order 2379): 192.411,175.108
no net on Top Layer "Direct Connect" (solid, remove dead copper, pour order 2378): 210.136,101.558
no net on Top Layer "Direct Connect" (solid, remove dead copper, pour order 2377): 230.786,101.558
no net on Top Layer "Direct Connect" (solid, remove dead copper, pour order 2376): 251.437,101.558
no net on Top Layer "Direct Connect" (solid, remove dead copper, pour order 2375): 272.087,101.558
GND on Top Layer "DirectConnect" (solid, pour order 2342): 142.599,98.488 142.599,100.698 138.433,100.698 138.433,98.488 142.599,98.488
NetC3_2 on Top Layer "Solid" (solid, pour order 2358): 132.729,112.998 132.729,126.373 127.829,126.373 127.829,122.873 128.579,122.123 128.579,119.76 130.679,117.66 130.679,112.998
NetC1_2 on Top Layer "Solid" (solid, pour order 2357): 141.631,122.285 141.379,122.285 141.186,122.478 141.186,126.372 141.405,126.372 143.179,124.598 144.679,124.598 144.679,120.523 144.479,120.323 143.035,120.323
GND on Top Layer "DirectConnect" (solid, pour order 2343): 131.804,98.641 127.74,98.641 127.74,100.825 131.829,100.825 131.829,98.59
GND on Top Layer "Direct Connect" (solid, remove dead copper, pour order 2365): 3.925,80.938 3.925,79.121 4.521,78.525 6.452,78.525 6.604,78.677 6.604,78.931 4.597,80.938
GND on Top Layer "Direct Connect" (solid, remove dead copper, pour order 2366): 1.981,76.62 2.286,76.315 2.667,76.315 2.946,76.594 2.946,79.806 1.981,79.806
GND on Bottom Layer "Direct Connect" (solid, remove dead copper, pour order 2578): 107.983,49.884 108.758,50.659 108.758,66.52 108.543,66.734 89.158,66.734 88.558,66.134 88.558,50.609 89.283,49.884
VFAN on Bottom Layer "24milConnect" (solid, remove dead copper, pour order 2597): 129.374,76.115 130.118,76.859 130.118,81.034 129.418,81.734 123.193,81.734 121.618,83.309 121.618,93.959 119.643,95.934 109.818,95.934 108.243,94.359 108.243,78.209 110.363,76.089
GND on Bottom Layer "Direct Connect" (solid, remove dead copper, pour order 2584): 24.95,49.96 25.725,50.735 25.725,65.535 24.45,66.81 6.125,66.81 5.525,66.21 5.525,50.685 6.25,49.96
GND on Bottom Layer "Direct Connect" (solid, remove dead copper, pour order 2583): 45.725,49.96 46.5,50.735 46.5,65.535 45.225,66.81 26.9,66.81 26.3,66.21 26.3,50.685 27.025,49.96
GND on Bottom Layer "Direct Connect" (solid, remove dead copper, pour order 2582): 170.125,49.96 170.9,50.735 170.9,65.535 169.625,66.81 151.3,66.81 150.7,66.21 150.7,50.685 151.425,49.96
GND on Bottom Layer "Direct Connect" (solid, remove dead copper, pour order 2581): 149.475,49.96 150.25,50.735 150.25,65.535 148.975,66.81 130.65,66.81 130.05,66.21 130.05,50.685 130.775,49.96
GND on Bottom Layer "Direct Connect" (solid, remove dead copper, pour order 2580): 128.825,49.96 129.6,50.735 129.6,65.535 128.325,66.81 110,66.81 109.4,66.21 109.4,50.685 110.125,49.96
GND on Bottom Layer "Direct Connect" (solid, remove dead copper, pour order 2579): 87.275,49.96 88.05,50.735 88.05,65.927 86.493,67.484 69.124,67.484 67.85,66.21 67.85,50.685 68.575,49.96
GND on Bottom Layer "Direct Connect" (solid, remove dead copper, pour order 2577): 66.433,49.984 67.208,50.759 67.208,63.695 64.069,66.834 47.608,66.834 47.008,66.234 47.008,50.709 47.733,49.984
VMOT1 on Bottom Layer "Direct Connect" (solid, remove dead copper, pour order 2585): 30 vertices, not listed, extent 9.054,14.76 187.5,64.26
OBBH on Bottom Layer "Direct Connect" (solid, remove dead copper, pour order 2567): 166.087,49.185 165.562,49.71 162,49.71 161.576,49.286 161.576,40.709 161.8,40.485 165.8,40.485 166.087,40.771
OAAH on Bottom Layer "Direct Connect" (solid, remove dead copper, pour order 2559): 156.84,49.138 157.365,49.663 160.972,49.663 161.35,49.285 161.35,40.785 161.05,40.485 157.075,40.485 156.84,40.72
VMOT2 on Bottom Layer "Direct Connect" (solid, remove dead copper, pour order 2586): 177.5,38.037 180.765,41.302 180.765,45.938 180.301,46.401 176.737,46.401 174.102,46.401 168.51,40.81 91.925,40.81 90.555,39.44 90.555,33.335 94.255,29.635 170.9,29.635 177.5,36.235
VBED on Bottom Layer "DirectConnect" (solid, remove dead copper, pour order 2662): 19 vertices, not listed, extent 155.584,100.123 180.289,112.724